# Altium PCB WunderBar_v102b.PcbDoc (part 4 of 7) (continued)
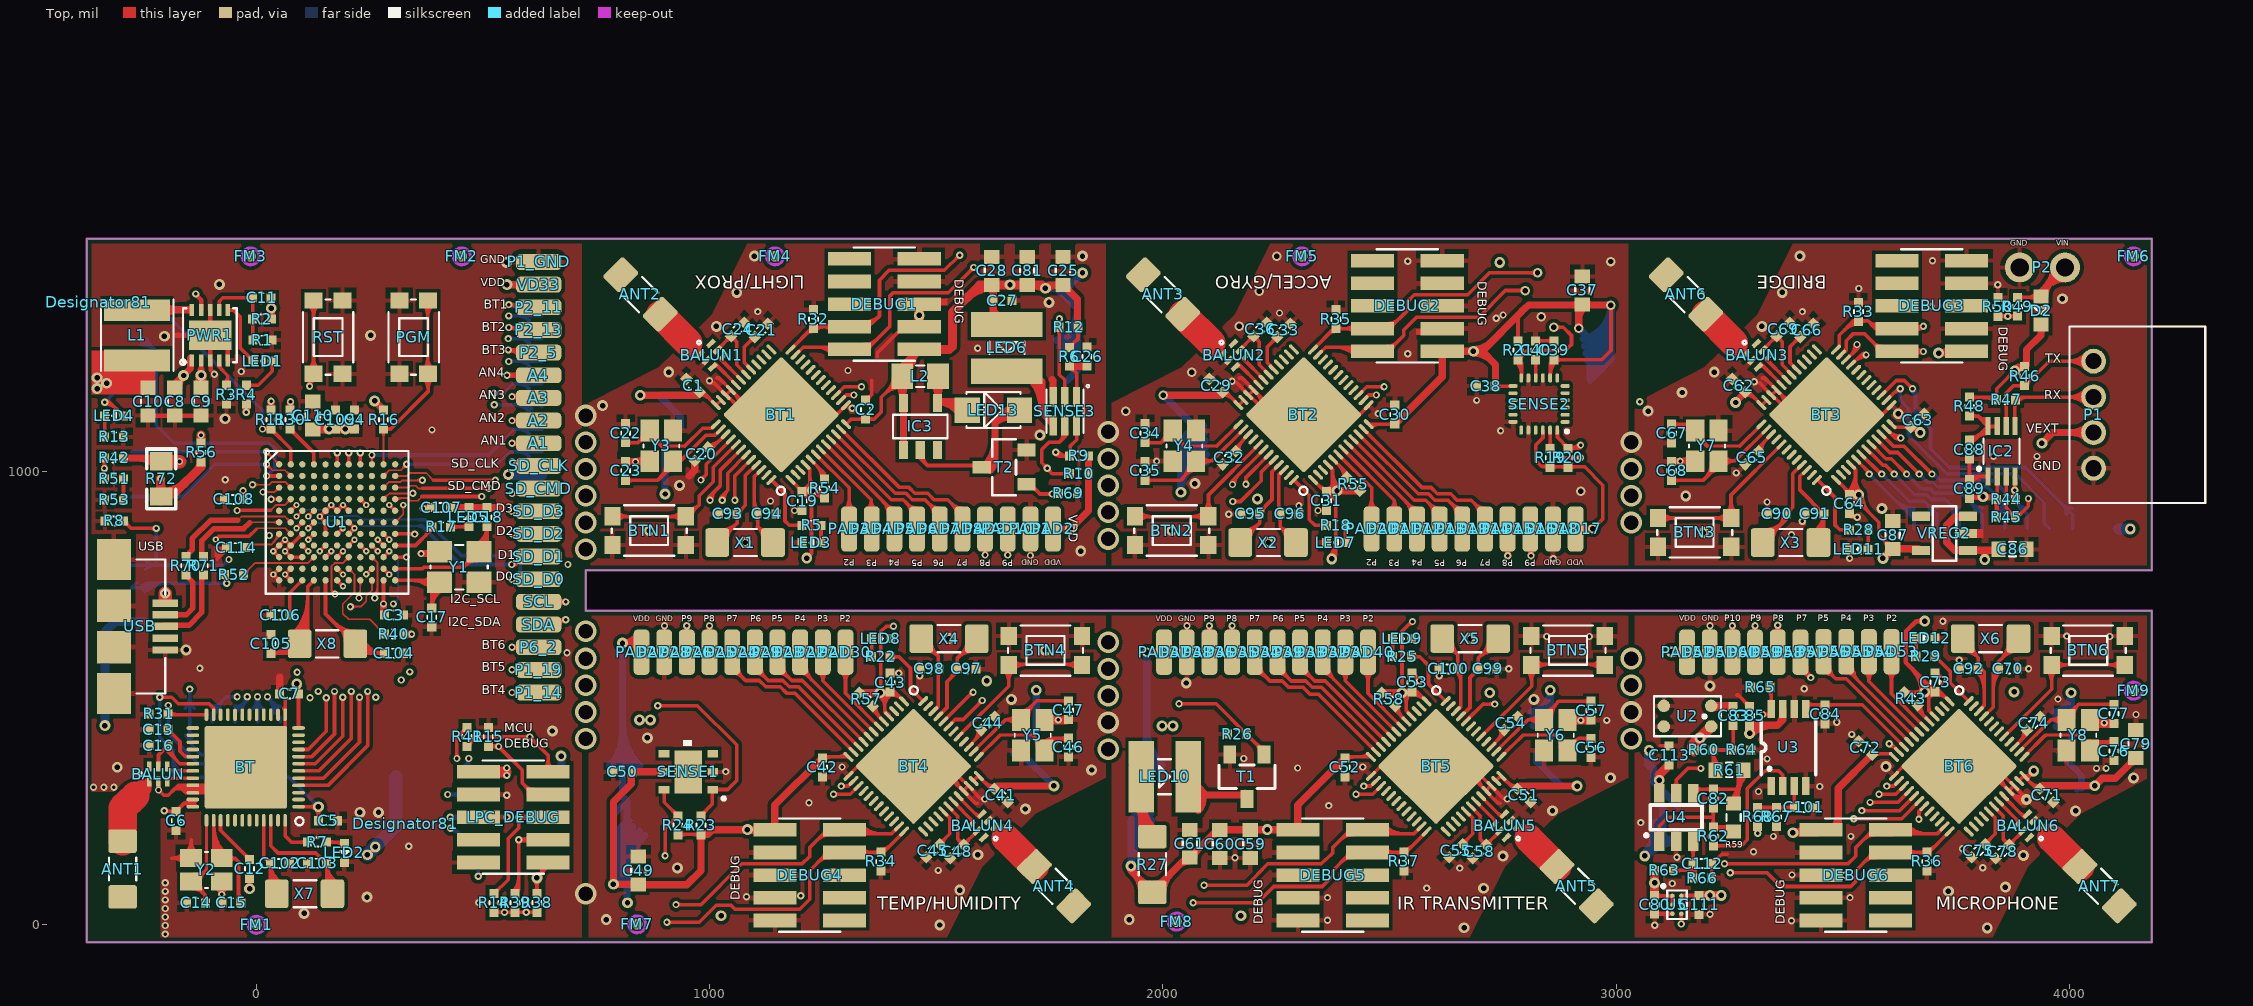
[diagram p0: Top view]
## Nets (pads, with @x,y where several pads share a name; then routed paths per layer and width w, separated by ;. In a path a pad name is that pad's centre, name@x,y a point inside that pad or via, vN(x,y) a via of type N, cw(c..) or ccw(c..) an arc to the next point about the centre after c; other vN are vias at no path point) (continued)
  Route2 w8: v5@2487.91,1182.91 cw(c2487.91,1173.25) 2494.73,1180.08 cw(c2501.56,1186.91) v5@2491.91,1186.91 ; v5(2487.91,1186.91) 2785,889.81 2785,841 v1(2812,814) ; v1@2808,814 ccw(c2798.34,814) 2805.17,820.83 ccw(c2812,827.66) v1@2812,818
P0.09C: BT4.15 PAD26.1 | length 752.8
  Top w8: PAD26.1@941.71,645.02 ccw(c931.16,660) v1(949.48,660) ; v1@946.04,657.96 cw(c938.09,653.23) 947.03,650.84 cw(c955.96,648.44) v1@951.44,656.51 ; v1@946.65,657.17 cw(c939.82,650.34) 949.48,650.34 cw(c959.14,650.34) v1@952.31,657.17 ; v1@947.52,656.51 cw(c943,648.44) 951.93,650.84 cw(c960.87,653.23) v1@952.92,657.96 ; PAD26.1@949.48,601.48 v1(949.48,660) ; PAD26.1@957.25,645.02 cw(c967.8,660) v1(949.48,660) ; v5(1273,288) 1310.05,288 BT4.15@1328.38,306.33 ; v5@1275.83,285.17 cw(c1282.66,278.34) 1282.66,288 cw(c1282.66,297.66) v5@1275.83,290.83
  Route2 w8: v1@949.48,656 cw(c949.48,646.34) 956.31,653.17 cw(c963.14,660) v1@953.48,660 ; v1(949.48,660) 975,634.48 975,586 v5(1273,288) ; v5@1269,288 ccw(c1259.34,288) 1266.17,294.83 ccw(c1273,301.66) v5@1273,292
P0.09D: BT5.15 PAD36.1 | length 756.4
  Top w8: PAD36.1@2094.37,644.78 ccw(c2082.19,661) v1@2102.48,661 ; v1@2099.02,658 cw(c2091.42,653.61) PAD36.1@2099.89,651.34 ; PAD36.1@2099.65,650.42 cw(c2109.14,647.88) v1@2104.41,656.49 ; v1@2099.65,657.17 cw(c2092.82,650.34) 2102.48,650.34 cw(c2112.14,650.34) v1@2105.31,657.17 ; v1@2100.55,656.49 cw(c2095.82,647.88) PAD36.1@2105.31,650.42 ; PAD36.1@2102.48,601.48 v1@2102.48,661 ; PAD36.1@2105.07,651.34 cw(c2113.54,653.61) v1@2105.94,658 ; PAD36.1@2110.59,644.78 cw(c2122.77,661) v1@2102.48,661 ; v5(2426,288) 2463.05,288 BT5.15@2481.38,306.33 ; v5@2428.83,285.17 cw(c2435.66,278.34) 2435.66,288 cw(c2435.66,297.66) v5@2428.83,290.83
  Route2 w8: v1@2102.48,656 cw(c2102.48,646.34) 2109.31,653.17 cw(c2116.14,660) v1@2106.48,660 ; v1(2102.48,660) 2130,632.48 2130,584 v5(2426,288) ; v5@2422,288 ccw(c2412.34,288) 2419.17,294.83 ccw(c2426,301.66) v5@2426,292
P0.09E: BT3.15 PAD46.1 | length 744.2
  Top w8: BT3.15@3585.58,1168.63 3617.95,1201 3635.96,1201 v1(3654,1183) ; 3647.1,1189.86 ccw(c3654,1196.75) v1@3654,1187 ; 3647.2,1189.76 cw(c3640.44,1183) v1@3650,1183
  Bottom w8: v1@3651.17,1180.17 cw(c3628.7,1157.7) 3660.48,1157.7 ; v1(3654,1183) 3660.48,1176.52 3660.48,1128.48 3693.48,1095.48 3693.48,1051.15 3735.72,1008.91 3903.06,1008.91 4007.13,904.83 PAD46.1@4007.13,873.48 ; v1@3656.83,1185.83 cw(c3648.01,1177.01) 3660.48,1177.01 ; 3982.12,929.84 ccw(c4007.13,954.86) PAD46.1@4007.13,919.48 ; 3984.9,927.06 cw(c3963.83,905.98) PAD46.1@3993.63,905.98
P0.09F: BT6.15 PAD59.1 | length 727.4
  Top w8: PAD59.1@3298.78,645.02 ccw(c3288.23,660) v1(3306.55,660) ; v1@3303.11,657.96 cw(c3295.16,653.23) 3304.1,650.84 cw(c3313.03,648.44) v1@3308.51,656.51 ; v1@3303.72,657.17 cw(c3296.9,650.34) 3306.55,650.34 cw(c3316.21,650.34) v1@3309.38,657.17 ; v1@3304.6,656.51 cw(c3300.07,648.44) 3309.01,650.84 cw(c3317.94,653.23) v1@3309.99,657.96 ; PAD59.1@3306.55,601.48 v1(3306.55,660) ; PAD59.1@3314.33,645.02 cw(c3324.88,660) v1(3306.55,660) ; v5(3580,288) 3617.05,288 BT6.15@3635.38,306.33 ; v5@3582.83,285.17 cw(c3589.66,278.34) 3589.66,288 cw(c3589.66,297.66) v5@3582.83,290.83
  Route2 w8: v1@3306.55,656 cw(c3306.55,646.34) 3313.38,653.17 cw(c3320.21,660) v1@3310.55,660 ; v1(3306.55,660) 3330,636.55 3330,536 v5@3578,288 ; 3569.76,296.24 ccw(c3580,306.49) v5@3580,292
P0.10F: BT6.16 PAD60.1 | length 796.6
  Top w8: PAD60.1@3248.76,645.02 ccw(c3238.21,660) v1(3256.53,660) ; v1@3253.1,657.96 cw(c3245.15,653.23) 3254.08,650.84 cw(c3263.01,648.44) v1@3258.49,656.51 ; v1@3253.71,657.17 cw(c3246.88,650.34) 3256.53,650.34 cw(c3266.19,650.34) v1@3259.36,657.17 ; v1@3254.58,656.51 cw(c3250.05,648.44) 3258.99,650.84 cw(c3267.92,653.23) v1@3259.97,657.96 ; PAD60.1@3256.53,601.48 v1(3256.53,660) ; PAD60.1@3264.31,645.02 cw(c3274.86,660) v1(3256.53,660) ; v5(3560,270) 3621.32,270 BT6.16@3646.52,295.19 ; v5@3562.83,267.17 cw(c3569.66,260.34) 3569.66,270 cw(c3569.66,279.66) v5@3562.83,272.83
  Route2 w8: v1@3256.53,656 cw(c3256.53,645.14) 3264.21,652.82 ; v1@3256.76,660.27 3301,616.03 3301,529 v5(3560,270) ; v1@3260.53,660 ccw(c3268.99,660) 3263.01,654.02 ; v5@3556,270 ccw(c3546.34,270) 3553.17,276.83 ccw(c3560,283.66) v5@3560,274
PAD1: BT2.7 PAD11.1 | length 268.5
  Top w8: BT2.7@2398.17,1048.92 2510.48,936.62 ; PAD11.1@2501.37,915.94 ccw(c2482.47,936.61) 2510.48,936.61 ; PAD11.1@2510.48,873.48 2510.48,936.62 ; PAD11.1@2519.59,915.94 cw(c2538.49,936.61) 2510.48,936.61
PAD2: BT4.7 PAD21.1 | length 268.5
  Top w8: PAD21.1@1240.37,559.02 cw(c1221.47,538.35) 1249.48,538.35 ; PAD21.1@1249.48,601.48 1249.48,538.34 ; PAD21.1@1258.59,559.02 ccw(c1277.49,538.35) 1249.48,538.35 ; BT4.7@1361.79,426.04 1249.48,538.34
PAD3: BT5.7 PAD31.1 | length 268.5
  Top w8: PAD31.1@2393.37,559.02 cw(c2374.47,538.35) 2402.48,538.35 ; PAD31.1@2402.48,601.48 2402.48,538.34 ; PAD31.1@2411.59,559.02 ccw(c2430.49,538.35) 2402.48,538.35 ; BT5.7@2514.79,426.04 2402.48,538.34
PAD4: BT3.7 PAD42.1 | length 395.7
  Top w8: BT3.7@3552.17,1048.92 3553.74,1048.92 3588.66,1014 3594.32,1014 v1(3613.85,994.47) ; v1@3609.85,994.47 ccw(c3600.19,994.47) 3607.02,1001.3 ccw(c3613.85,1008.13) v1@3613.85,998.47
  Bottom w8: v1@3613.85,990.47 cw(c3613.85,980.81) 3620.68,987.64 cw(c3627.5,994.47) v1@3617.85,994.47 ; v1(3613.85,994.47) 3659.84,948.48 3686.15,948.48 3696.15,938.48 3727.48,938.48 3757.13,908.83 PAD42.1@3757.13,873.48 ; 3732.08,933.89 cw(c3704.17,905.98) PAD42.1@3743.63,905.98 ; 3738.95,927.01 ccw(c3757.13,945.2) PAD42.1@3757.13,919.48 ; PAD42.1@3745.73,920.23 cw(c3731.48,905.98) PAD42.1@3751.63,905.98
PAD5: BT6.7 PAD54.1 | length 324.9
  Top w8: PAD54.1@3557.64,602.48 3557.64,537.18 BT6.7@3668.79,426.04 ; 3557.64,537.38 cw(c3590.23,537.38) 3567.19,560.43 ccw(c3590.23,537.38) 3557.64,537.38 ; 3557.64,537.38 ccw(c3525.05,537.38) 3548.1,560.43 cw(c3525.05,537.38) 3557.64,537.38
PAD6: BT1.7 PAD4.1 | length 250.9
  Top w8: BT1.7@1245.17,1048.92 1356.12,937.97 ; PAD4.1@1347.93,915.53 ccw(c1328.17,935.29) 1356.12,935.29 ; PAD4.1@1356.12,890.62 1356.12,937.97 ; PAD4.1@1366.19,916.3 cw(c1384.49,937.97) 1356.12,937.97
PROX_LED: LED6.C SENSE3.4 | length 494.4
  Top w16: LED6.C@1641.01,1207.97 cw(c1655.83,1206.6) LED6.C@1655.83,1221.48 ; LED6.C@1655.48,1221.48 LED6.C@1708.48,1221.48 ; LED6.C@1656.95,1206.49 cw(c1673.38,1204.97) LED6.C@1673.38,1221.48 ; LED6.C@1672.88,1205.02 cw(c1690.93,1203.35) LED6.C@1690.93,1221.48 ; LED6.C@1686.57,1221.48 ccw(c1686.57,1249.72) LED6.C@1706.53,1229.75 ; LED6.C@1686.6,1221.48 cw(c1686.6,1193.3) LED6.C@1706.53,1213.23 ; LED6.C@1688.14,1235.33 ccw(c1708.48,1243.34) LED6.C@1708.48,1221.48 ; LED6.C@1688.81,1203.55 cw(c1708.48,1201.73) LED6.C@1708.48,1221.48 ; LED6.C@1706.53,1204.92 cw(c1643.89,1142.28) 1732.48,1142.28 ; LED6.C@1717.85,1216.23 cw(c1682.52,1180.9) 1732.48,1180.9 ; 1740.59,1123.05 ccw(c1758.37,1140.15) SENSE3.4@1757.89,1115.48 ; SENSE3.4@1757.48,1101.48 1757.48,1105.48 1732.48,1131.48 1732.48,1198.48 LED6.C@1708.48,1221.48
REGOUT: C40.1 SENSE2.10 | length 62.8
  Top w8: C40.1@2818.24,1242.57 cw(c2807.99,1232.33) 2822.48,1232.33 cw(c2836.97,1232.33) C40.1@2826.72,1242.57 ; SENSE2.10@2822.48,1206.48 C40.1@2822.48,1246.48
S3_RX_EXT: IC2.5 P1.3 R47.1 | length 447.4
  Top w8: R47.1@3876.91,1154.24 cw(c3870.69,1148.03) 3879.48,1148.03 ; IC2.5@3879.48,1099.48 3879.48,1157.48 R47.1@3880.48,1158.48 ; 3879.48,1120.58 ccw(c3886.11,1120.58) IC2.5@3881.42,1115.89 ; 3879.48,1139.97 cw(c3899.66,1139.97) 3885.39,1154.24 cw(c3909.61,1130.02) 3909.61,1164.27 ; R47.1@3879.74,1159.89 cw(c3890.29,1149.34) R47.1@3890.29,1164.27 ; R47.1@3880.48,1164.27 P1.3@4053.58,1164.27 ; 3995.3,1164.27 ccw(c3995.3,1223.13) P1.3@4036.92,1181.51 ; 3998.11,1164.27 cw(c3998.11,1109.38) P1.3@4036.92,1148.19 ; 4014.61,1164.27 ccw(c4014.61,1203.82) P1.3@4042.58,1175.85 ; 4017.42,1164.27 cw(c4017.42,1128.69) P1.3@4042.58,1153.85
S3_RX_INT: BT3.21 IC2.4 R44.1 | length 802.2
  Top w8: BT3.21@3518.48,1235.48 3540.48,1257.48 v1(3551.48,1257.48) ; BT3.21@3525.87,1242.87 cw(c3551.48,1217.27) v1@3551.48,1253.48 ; 3539.53,1256.53 cw(c3551.48,1244.58) v1@3551.48,1261.48 ; v1@3548.65,1254.65 ccw(c3541.82,1247.82) 3541.82,1257.48 ccw(c3541.82,1267.14) v1@3548.65,1260.31 ; v1@3876.65,956.16 cw(c3869.82,949.33) 3879.48,949.33 cw(c3889.14,949.33) v1@3882.31,956.16 ; v1@3876.65,961.81 ccw(c3869.82,968.64) 3879.48,968.64 ccw(c3889.14,968.64) v1@3882.31,961.81 ; R44.1@3876.91,942.72 ccw(c3870.69,948.94) 3879.48,948.94 ; v1@3877.48,955.52 cw(c3873.53,948.68) 3881.16,950.72 ; IC2.4@3878.48,988.48 3879.48,989.48 3879.48,939.48 R44.1@3880.48,938.48 ; v1@3879.48,957 ccw(c3899.66,957) R44.1@3885.39,942.72 ; 3879.48,969.26 cw(c3886.11,969.26) IC2.4@3881.42,973.95 ; R44.1@3881.8,948.32 cw(c3892.83,951.28) v1@3882.94,956.98
  Route15 w8: v1@3548.65,1254.65 cw(c3541.82,1247.82) 3551.48,1247.82 cw(c3561.14,1247.82) v1@3554.31,1254.65 ; v1(3551.48,1257.48) 3551.48,1095.43 3611.39,1035.52 3802.94,1035.52 v1(3879.48,958.98) ; v1@3875.48,958.98 ccw(c3865.82,958.98) 3872.65,965.81 ccw(c3879.48,972.64) v1@3879.48,962.98
S3_TX_EXT: IC2.6 P1.4 R46.1 | length 489.7
  Top w8: IC2.6@3860.48,1099.48 3860.48,1172.48 3876.48,1189.48 3901.48,1189.48 3955.59,1243.59 P1.4@4053.58,1243.59 ; 3886.2,1189.48 ccw(c3886.2,1205.09) R46.1@3897.24,1194.05 ; 3887.79,1189.48 cw(c3887.79,1176.12) R46.1@3897.24,1185.57 ; R46.1@3901.48,1195.81 ccw(c3901.48,1211.09) 3912.29,1200.29 ; R46.1@3907.48,1189.81 cw(c3921.17,1189.81) 3911.49,1199.49 ; P1.4@4036.92,1226.93 ccw(c3996.7,1186.71) 3996.7,1243.59 ccw(c3996.7,1300.47) P1.4@4036.92,1260.25 ; P1.4@4042.58,1232.59 ccw(c4016.02,1206.03) 4016.02,1243.59 ccw(c4016.02,1281.15) P1.4@4042.58,1254.59
S3_TX_INT: BT3.22 IC2.3 R45.1 | length 974.4
  Top w8: BT3.22@3507.48,1246.48 3531.48,1270.48 v1(3531.48,1280.48) ; 3517.58,1256.58 ccw(c3493.68,1280.48) v1@3527.48,1280.48 ; v1@3528.65,1277.65 cw(c3521.82,1270.82) 3531.48,1270.82 cw(c3541.14,1270.82) v1@3534.31,1277.65 ; 3531.24,1270.24 ccw(c3520.99,1280.48) v1@3535.48,1280.48 ; IC2.3@3860.48,989.48 3860.48,919.48 3882.98,896.98 3909.57,923.57 v1(3909.57,940.55) ; 3869.76,910.2 ccw(c3881.15,921.58) 3881.15,905.48 ccw(c3881.15,930.42) 3898.79,912.79 ; R45.1@3871.38,908.58 cw(c3862.28,899.48) R45.1@3875.15,899.48 ; v1@3906.75,937.72 cw(c3899.92,930.89) 3909.57,930.89 cw(c3919.23,930.89) v1@3912.4,937.72
  Route15 w8: v1@3528.65,1277.65 cw(c3521.82,1270.82) 3531.48,1270.82 cw(c3541.14,1270.82) v1@3534.31,1277.65 ; v1(3531.48,1280.48) 3531.48,1085.5 3600.76,1016.23 3789.73,1016.23 3865.41,940.55 v1(3909.57,940.55) ; v1@3906.75,937.72 ccw(c3899.92,930.89) 3899.92,940.55 ccw(c3899.92,950.21) v1@3906.75,943.38
S3_VEXT_REF: C88.1 IC2.7 IC2.8 R48.1 | length 310.2
  Top w8: C88.1@3779.48,1067.15 ccw(c3779.48,1088.08) 3794.28,1073.28 ; C88.1@3779.48,1069.48 3790.48,1069.48 ; C88.1@3779.48,1075.15 ccw(c3779.48,1115.39) 3807.94,1086.94 ; R48.1@3779.48,1122.48 3798.48,1122.48 IC2.8@3820.48,1099.48 ; R48.1@3783.72,1118.57 cw(c3793.17,1109.12) 3793.17,1122.48 ; R48.1@3783.72,1127.05 ccw(c3794.76,1138.09) 3794.76,1122.48 ; C88.1@3784.37,1072.63 ccw(c3790.48,1076.99) 3790.48,1069.48 ; C88.1@3784.67,1066.14 cw(c3790.48,1062.76) 3790.48,1069.48 ; 3794.87,1073.87 cw(c3820.48,1048.27) IC2.8@3820.48,1084.48 ; 3798.16,1122.81 ccw(c3814.62,1138.56) IC2.8@3820.01,1116.42 ; 3807.75,1112.79 ccw(c3818.41,1122.98) IC2.8@3821.9,1108.65 ; 3808.53,1087.53 cw(c3820.48,1075.58) IC2.8@3820.48,1092.48 ; IC2.8@3817.34,1102.76 ccw(c3822.2,1107.41) IC2.8@3823.79,1100.88 ; IC2.8@3821.89,1101.89 ccw(c3827.72,1107.72) 3827.72,1099.48 ; 3833.24,1099.48 ccw(c3833.24,1107.72) IC2.7@3839.07,1101.89 ; IC2.7@3840.48,1099.48 IC2.8@3820.48,1099.48 ; 3790.48,1069.48 IC2.8@3820.48,1099.48
SENS1_LED: BT1.48 R5.1 | length 167.4
  Top w8: BT1.48@1135.99,981.5 1166.06,951.44 1166.06,890.94 1175.52,881.48 R5.1@1203.81,881.48 ; R5.1@1199.57,877.24 ccw(c1189.33,866.99) 1189.33,881.48 ccw(c1189.33,895.97) R5.1@1199.57,885.72
SENS1_LED1: LED3.A R5.2 | length 83.5
  Top w8: LED3.A@1240.91,847.72 ccw(c1229.87,858.76) 1245.48,858.76 ; R5.2@1241.24,877.24 cw(c1230.99,866.99) 1245.48,866.99 cw(c1259.97,866.99) R5.2@1249.72,877.24 ; LED3.A@1245.48,843.48 R5.2@1245.48,881.48 ; 1245.48,857.17 ccw(c1258.84,857.17) LED3.A@1249.39,847.72
SENS1_XL1: BT1.46 C94.2 X1.1 | length 333.1
  Top w8: C94.2@1098.48,916.14 ccw(c1114.14,916.14) C94.2@1103.07,905.07 ; 1098.48,935.45 ccw(c1133.45,935.45) C94.2@1108.72,910.72 ; C94.2@1100.24,902.24 cw(c1087.58,889.58) 1105.48,889.58 ; 1105.4,878.56 ccw(c1126.96,899.5) X1.1@1134.2,870.33 ; 1105.48,894.41 cw(c1116.55,894.41) C94.2@1108.72,902.24 ; 1106.21,877.73 cw(c1077.54,849.88) X1.1@1117.51,849.3 ; BT1.46@1114.48,1004.48 1105.48,995.48 1104.48,995.48 1098.48,989.48 1098.48,913.48 1105.48,906.48 1105.48,878.48 X1.1@1139.5,843.48 ; X1.1@1115.1,868.57 ccw(c1130.84,883.86) X1.1@1136.13,862.57
SENS1_XL2: BT1.45 C93.2 X1.2 | length 362.7
  Top w8: X1.2@1017.48,843.48 1060.48,886.48 ; X1.2@1017.59,862.94 ccw(c1020.68,901.76) 1048.22,874.22 ; X1.2@1018.23,870.91 ccw(c1022.49,924.47) 1060.48,886.48 ; X1.2@1038.48,848.98 cw(c1075.9,848.98) 1049.44,875.44 ; C93.2@1056.24,902.24 cw(c1045.99,891.99) 1060.48,891.99 cw(c1074.97,891.99) C93.2@1064.72,902.24 ; C93.2@1060.32,912.48 ccw(c1059.93,926.96) 1070.44,917 ccw(c1080.96,907.03) C93.2@1066.48,906.64 ; BT1.45@1103.48,1015.48 1078.48,991.48 1078.48,925.48 C93.2@1060.48,906.48 1060.48,886.48
SENS2_LED: BT2.48 R18.1 | length 167.3
  Top w8: BT2.48@2288.99,981.5 2323,947.5 2323,894 2335.52,881.48 R18.1@2360.81,881.48 ; R18.1@2356.57,877.24 ccw(c2346.33,866.99) 2346.33,881.48 ccw(c2346.33,895.97) R18.1@2356.57,885.72
SENS2_LED1: LED7.A R18.2 | length 83.5
  Top w8: LED7.A@2397.91,847.72 ccw(c2386.87,858.76) 2402.48,858.76 ; R18.2@2398.24,877.24 cw(c2387.99,866.99) 2402.48,866.99 cw(c2416.97,866.99) R18.2@2406.72,877.24 ; LED7.A@2402.48,843.48 R18.2@2402.48,881.48 ; 2402.48,857.17 ccw(c2415.84,857.17) LED7.A@2406.39,847.72
SENS2_XL1: BT2.46 C96.2 X2.1 | length 329.7
  Top w8: C96.2@2254.24,902.24 cw(c2243.99,891.99) 2258.48,891.99 cw(c2272.97,891.99) C96.2@2262.72,902.24 ; 2255.48,928.21 ccw(c2280.21,928.21) C96.2@2262.72,910.72 ; 2255.48,986.63 cw(c2269.72,986.63) 2259.65,996.7 ccw(c2261.79,990.77) 2255.48,990.77 ; 2259.85,877.11 cw(c2231.73,848.98) X2.1@2271.5,848.98 ; BT2.46@2267.48,1004.48 2255.48,992.48 2255.48,909.48 C96.2@2258.48,906.48 2258.48,878.48 ; X2.1@2268.44,868.52 ccw(c2284.51,884.58) X2.1@2290.07,862.55 ; X2.1@2288.12,870.31 cw(c2280.49,900.49) 2258.48,878.48 ; X2.1@2293.5,843.48 2258.48,878.48
SENS2_XL2: BT2.45 C95.2 X2.2 | length 358.9
  Top w8: X2.2@2171.48,843.48 2213.48,886.48 C95.2@2213.48,906.48 2213.48,911.48 2240.48,938.48 2240.48,999.48 BT2.45@2256.48,1015.48 ; X2.2@2171.53,862.94 ccw(c2174.39,900.82) 2201.56,874.28 ; X2.2@2172.13,870.92 ccw(c2176.07,923.17) 2213.55,886.55 ; X2.2@2192.48,849.24 cw(c2230.03,849.68) 2203.16,875.92 ; C95.2@2209.24,902.24 cw(c2198.99,891.99) 2213.48,891.99 cw(c2227.97,891.99) C95.2@2217.72,902.24 ; C95.2@2219.48,906.48 cw(c2246.04,906.48) 2227.26,925.26
SENS3_BTN: BT3.41 BTN3.P3 BTN3.P4 | length 529.7
  Top w8: BTN3.P3@3092.48,897.48 3253.48,897.48 3253.48,948.48 BT3.41@3365.48,1060.48 ; BTN3.P3@3102.38,887.58 cw(c3126.28,863.68) 3126.28,897.48 cw(c3126.28,931.28) BTN3.P3@3102.38,907.38 ; BTN3.P4@3244.29,887.58 ccw(c3220.39,863.68) 3220.39,897.48 ccw(c3220.39,931.28) BTN3.P4@3244.29,907.38 ; BTN3.P4@3244.29,909.38 ccw(c3222.1,931.57) 3253.48,931.57 ; 3253.48,934.99 ccw(c3289.7,934.99) BTN3.P4@3264.09,909.38
SENS3_LED: BT3.48 R28.1 | length 175.8
  Top w8: BT3.48@3443.48,982.48 3483,942.96 3483,882 3493.52,871.48 R28.1@3514.81,871.48 ; R28.1@3510.57,867.24 ccw(c3500.33,856.99) 3500.33,871.48 ccw(c3500.33,885.97) R28.1@3510.57,875.72
SENS3_LED1: LED11.A R28.2 | length 88.5
  Top w8: LED11.A@3551.91,832.72 ccw(c3540.87,843.76) 3556.48,843.76 ; R28.2@3552.24,867.24 cw(c3541.99,856.99) 3556.48,856.99 cw(c3570.97,856.99) R28.2@3560.72,867.24 ; LED11.A@3556.48,828.48 R28.2@3556.48,871.48 ; 3556.48,842.17 ccw(c3569.84,842.17) LED11.A@3560.39,832.72
SENS3_XL1: BT3.46 C91.2 X3.1 | length 365.4
  Top w8: BT3.46@3421.48,1004.48 3405.48,989.48 3405.48,959.48 C91.2@3457.48,906.48 ; X3.1@3435.39,867.97 ccw(c3412.87,906.48) C91.2@3457.48,906.48 ; X3.1@3439.43,861.06 ccw(c3421.03,892.53) 3457.48,892.53 ; X3.1@3443.47,854.16 ccw(c3429.19,878.58) 3457.48,878.58 ; X3.1@3446.5,843.48 3457.48,854.48 C91.2@3457.48,906.48 ; 3446.62,917.55 ccw(c3458.7,929.4) C91.2@3458.54,912.48 ; C91.2@3449.03,915.09 cw(c3440.43,906.65) C91.2@3452.48,906.54 ; C91.2@3454.24,902.24 cw(c3446.41,894.41) 3457.48,894.41 ; 3457.48,875.59 ccw(c3473.12,875.59) X3.1@3462.06,864.54 ; 3457.48,889.58 cw(c3475.38,889.58) C91.2@3462.72,902.24
SENS3_XL2: BT3.45 C90.2 X3.2 | length 422.5
  Top w8: X3.2@3323.48,862.98 ccw(c3323.48,912.47) 3358.48,877.48 ; X3.2@3323.48,870.98 ccw(c3323.48,939.79) 3372.13,891.13 ; X3.2@3324.48,843.48 3375.48,894.48 ; X3.2@3345.48,848.98 cw(c3382.9,848.98) 3356.44,875.44 ; 3356.75,875.75 ccw(c3326.02,906.48) C90.2@3369.48,906.48 ; 3370.41,889.41 ccw(c3353.34,906.48) C90.2@3377.48,906.48 ; C90.2@3371.88,901.68 cw(c3366.48,894.48) 3375.48,894.48 ; C90.2@3375.27,912.48 ccw(c3374.77,926.95) 3385.36,917.07 ccw(c3395.95,907.19) C90.2@3381.48,906.69 ; C90.2@3379.08,901.68 ccw(c3384.48,894.48) 3375.48,894.48 ; BT3.45@3410.48,1015.48 3389.48,995.48 3389.48,921.48 C90.2@3375.48,906.48 3375.48,894.48
SENS4_BTN: BT4.41 BTN4.P3 BTN4.P4 | length 526.7
  Top w8: BT4.41@1547.48,414.48 1659.48,526.48 1659.48,574.48 BTN4.P3@1820.48,574.48 ; BTN4.P4@1649.87,561.58 cw(c1626.68,538.38) 1659.48,538.38 ; 1659.48,536.98 cw(c1694.27,536.98) BTN4.P4@1669.67,561.58 ; BTN4.P4@1669.67,563.58 cw(c1695.98,537.27) 1695.98,574.48 ; BTN4.P4@1669.67,583.38 ccw(c1691.16,604.87) 1691.16,574.48 ; 1785.27,574.48 cw(c1785.27,537.27) BTN4.P3@1811.58,563.58 ; 1790.1,574.48 ccw(c1790.1,604.87) BTN4.P3@1811.58,583.38
SENS4_LED: BT4.48 R22.1 | length 162.3
  Top w8: R22.1@1398.16,591.49 1417.51,591.49 1443,566 1443,521.42 BT4.48@1470.97,493.46 ; R22.1@1402.4,587.25 cw(c1412.64,577) 1412.64,591.49 cw(c1412.64,605.97) R22.1@1402.4,595.73
SENS4_LED1: LED8.A R22.2 | length 92.5
  Top w8: R22.2@1352.25,595.73 ccw(c1339.61,608.37) 1357.48,608.37 ; LED8.A@1352.57,627.24 cw(c1340.71,615.38) 1357.48,615.38 ; R22.2@1357.48,584.48 LED8.A@1357.48,631.48 ; 1357.48,603.58 ccw(c1368.58,603.58) R22.2@1360.73,595.73 ; 1357.48,618.61 cw(c1369.68,618.61) LED8.A@1361.05,627.24
SENS4_XL2: BT4.45 C97.2 X4.2 | length 360.8
  Top w8: BT4.45@1503.48,459.48 1523.48,479.48 1523.48,536.48 1546.48,559.48 1546.48,564.48 1546.48,588.48 X4.2@1588.48,631.48 ; 1531,543.99 ccw(c1510.51,564.48) C97.2@1539.48,564.48 ; C97.2@1541.24,568.72 ccw(c1528.58,581.38) 1546.48,581.38 ; 1546.41,588.41 cw(c1583.89,551.79) X4.2@1587.83,604.04 ; 1546.48,576.55 ccw(c1557.55,576.55) C97.2@1549.72,568.72 ; 1556.8,599.04 ccw(c1529.94,625.28) X4.2@1567.48,625.72 ; 1558.4,600.68 cw(c1585.57,574.14) X4.2@1588.43,612.02
SENS5_BTN: BT5.41 BTN5.P3 BTN5.P4 | length 526.7
  Top w8: BT5.41@2701.48,414.48 2813.48,526.48 2813.48,574.48 BTN5.P3@2974.48,574.48 ; BTN5.P4@2802.87,561.58 cw(c2777.26,535.97) 2813.48,535.97 ; 2813.48,539.39 cw(c2844.86,539.39) BTN5.P4@2822.67,561.58 ; BTN5.P4@2822.67,563.58 cw(c2848.98,537.27) 2848.98,574.48 ; BTN5.P4@2822.67,583.38 ccw(c2844.16,604.87) 2844.16,574.48 ; 2938.27,574.48 cw(c2938.27,537.27) BTN5.P3@2964.58,563.58 ; 2943.1,574.48 ccw(c2943.1,604.87) BTN5.P3@2964.58,583.38
SENS5_LED: BT5.48 R25.1 | length 162.6
  Top w8: R25.1@2548.49,591.49 2566.51,591.49 2586,572 2586,531.42 BT5.48@2623.97,493.46 ; R25.1@2552.73,587.25 cw(c2562.97,577) 2562.97,591.49 cw(c2562.97,605.97) R25.1@2552.73,595.73
SENS5_LED1: LED9.A R25.2 | length 92.5
  Top w8: LED9.A@2502.57,627.24 cw(c2493.12,617.79) 2506.48,617.79 ; R25.2@2502.58,595.73 ccw(c2493.15,605.16) 2506.48,605.16 ; R25.2@2506.48,584.48 LED9.A@2506.48,631.48 ; 2506.48,606.79 ccw(c2522.12,606.79) R25.2@2511.06,595.73 ; 2506.48,616.2 cw(c2522.09,616.2) LED9.A@2511.05,627.24
SENS5_XL1: BT5.46 C100.2 X5.1 | length 354
  Top w8: X5.1@2616.46,631.48 2650.48,596.48 C100.2@2650.48,564.48 2657.48,557.48 2657.48,482.48 ; X5.1@2619.83,612.39 cw(c2625.12,591.1) X5.1@2640.86,606.39 ; X5.1@2621.76,604.63 cw(c2629,575.46) 2650.56,596.4 ; X5.1@2638.45,625.66 ccw(c2678.42,625.08) 2649.75,597.23 ; BT5.46@2645.48,470.48 2657.48,482.48 ; C100.2@2646.24,560.24 cw(c2619.1,533.1) 2657.48,533.1 ; C100.2@2646.24,568.72 ccw(c2635.99,578.97) 2650.48,578.97 ccw(c2664.97,578.97) C100.2@2654.72,568.72 ; C100.2@2651.89,565.89 cw(c2638.41,552.41) 2657.48,552.41 ; 2657.48,488.33 cw(c2643.24,488.33) 2653.31,478.26 ccw(c2653.26,482.48) 2657.48,482.48
SENS5_XL2: BT5.45 C99.2 X5.2 | length 361
  Top w8: BT5.45@2656.48,459.48 2677.48,479.48 2677.48,545.48 C99.2@2695.48,564.48 2695.48,588.48 ; C99.2@2689.48,564.32 cw(c2675,563.93) 2685.52,553.96 cw(c2696.03,544) C99.2@2695.64,558.48 ; C99.2@2691.24,568.72 ccw(c2680.99,578.97) 2695.48,578.97 ccw(c2709.97,578.97) C99.2@2699.72,568.72 ; 2706.52,599.52 ccw(c2680.06,625.98) X5.2@2717.48,625.98 ; 2707.74,600.74 cw(c2735.28,573.2) X5.2@2738.37,612.02 ; X5.2@2737.74,604.05 ccw(c2733.47,550.49) 2695.48,588.48 ; X5.2@2738.48,631.48 2695.48,588.48
SENS6_BTN: BT6.41 BTN6.P3 BTN6.P4 | length 526.7
  Top w8: BT6.41@3856.19,415.25 3960.9,519.95 3960.9,567.95 BTN6.P4@3968.19,575.25 ; BTN6.P4@3950.89,561.6 cw(c3926.73,537.44) 3960.9,537.44 ; 3960.9,537.96 cw(c3994.33,537.96) BTN6.P4@3970.69,561.6 ; BTN6.P4@3961.5,573.5 BTN6.P3@4122.5,573.5 ; BTN6.P4@3970.69,563.6 cw(c3994.59,539.7) 3994.59,573.5 cw(c3994.59,607.3) BTN6.P4@3970.69,583.4 ; BTN6.P3@4112.6,563.6 ccw(c4088.7,539.7) 4088.7,573.5 ccw(c4088.7,607.3) BTN6.P3@4112.6,583.4
SENS6_LED: BT6.48 R29.1 | length 152.6
  Top w8: R29.1@3703.67,586.49 cw(c3703.67,572) 3713.91,582.24 cw(c3724.15,592.49) R29.1@3709.67,592.49 ; R29.1@3703.67,592.49 3737.14,559.01 3737.14,534.28 BT6.48@3777.97,493.46
SENS6_LED1: LED12.A R29.2 | length 85.5
  Top w8: R29.2@3657.76,596.73 ccw(c3647.49,606.99) 3662.01,606.99 ; LED12.A@3657.76,628.24 cw(c3647.49,617.98) 3662.01,617.98 cw(c3676.46,618.02) LED12.A@3666.24,628.24 ; R29.2@3662,592.49 LED12.A@3662,632.48 ; 3662.01,606.95 ccw(c3676.46,606.95) R29.2@3666.24,596.73
SENS6_XL1: BT6.46 C92.2 X6.1 | length 431.7
  Top w8: X6.1@3764.71,603.98 cw(c3764.71,557.49) 3797.58,590.36 ; X6.1@3764.71,611.98 cw(c3764.71,584.8) X6.1@3783.93,604.02 ; X6.1@3764.71,631.48 3764.75,623.2 3798.75,589.2 ; X6.1@3778.63,624.49 ccw(c3807.31,621.43) X6.1@3786.91,601.03 ; X6.1@3786.58,623.64 ccw(c3828.69,619.14) 3798.75,589.2 ; C92.2@3794.48,560.25 cw(c3751.57,517.34) 3812.25,517.34 ; C92.2@3794.48,568.73 ccw(c3784.16,579.05) 3798.75,579.05 ; C92.2@3798.72,564.49 3798.75,589.2 ; 3798.75,578.9 ccw(c3813.13,578.9) C92.2@3802.96,568.73 ; C92.2@3800.13,565.9 cw(c3770.89,536.66) 3812.25,536.66 ; BT6.46@3800.24,471.19 3812.25,483.2 3812.25,558.2 ; C92.2@3801.88,559.39 cw(c3806.31,552.26) 3812.25,558.2 ; C92.2@3805.25,565.2 3812.25,558.2 ; BT6.46@3807.31,478.26 ccw(c3795.39,490.18) 3812.25,490.18
SENS6_XL2: BT6.45 C70.2 X6.2 | length 449.9
  Top w8: BT6.45@3811.37,460.05 3832.38,480.06 3832.38,556.4 ; 3832.38,522.58 cw(c3885.65,522.58) C70.2@3847.98,560.25 ; 3832.38,541.89 cw(c3866.34,541.89) C70.2@3842.33,565.9 ; C70.2@3839.5,568.73 ccw(c3829.23,579) 3843.75,579 ; C70.2@3841.96,558.76 ccw(c3839.12,549.66) 3832.38,556.4 ; C70.2@3843.74,564.49 3843.75,580.43 3886.75,623.43 X6.2@3886.75,631.5 ; 3843.75,578.95 ccw(c3858.2,578.95) C70.2@3847.98,568.73 ; 3849.07,585.75 ccw(c3808.83,625.98) X6.2@3865.73,625.98 ; C70.2@3850.38,565.06 3841.04,565.06 3832.38,556.4 ; 3852.85,589.53 cw(c3887.73,554.66) X6.2@3887.73,603.98 ; 3862.72,599.4 ccw(c3836.15,625.98) X6.2@3873.73,625.98 ; X6.2@3866.51,603.19 cw(c3887.73,581.97) X6.2@3887.73,611.98
SWITCH_ON: BT6.19 U5.2C | length 759.3
  Top w8: v1@3141.01,4.51 ccw(c3134.19,11.34) 3143.84,11.34 ccw(c3153.5,11.34) v1@3146.67,4.51 ; v1(3143.84,1.68) U5.2C@3143.84,24.32 ; v5@3665.17,235.83 ccw(c3658.34,242.66) 3668,242.66 ccw(c3677.66,242.66) v5@3670.83,235.83 ; v5(3668,233) 3668,249.69 BT6.19@3680.01,261.7 ; 3668,242.7 cw(c3684.87,242.7) 3672.94,254.63 ccw(c3675.41,247.64) 3668,247.64
  Route2 w8: v1(3143.84,1.68) 3333.69,1.68 3472,140 3575,140 v5(3668,233) ; v1@3146.67,-1.14 cw(c3153.5,-7.97) 3153.5,1.68 cw(c3153.5,11.34) v1@3146.67,4.51 ; v5@3664,233 cw(c3654.34,233) 3661.17,226.17 cw(c3668,219.34) v5@3668,229
UNBAL: ANT1.1 BALUN.1 | length 164.1
  Top w8: BALUN.1@-237.13,308.96 ccw(c-240.55,304.52) -244.52,308.48 -237.52,315.48 BALUN.1@-236.52,315.48
  Top w28: -251.52,300.48 -244.52,308.48
  Top w40: -267.52,284.48 -251.52,300.48
  Top w63: ANT1.1@-295.52,184.5 -295.52,257.48 -267.52,284.48
UNBAL1: ANT2.1 BALUN1.1 | length 124.5
  Top w10: 964.48,1272.48 BALUN1.1@978.48,1258.48
  Top w36: 952.48,1284.48 964.48,1272.48
  Top w63: ANT2.1@890.48,1346.48 952.48,1284.48
UNBAL2: ANT3.1 BALUN2.1 | length 124.5
  Top w10: 2118.48,1272.48 BALUN2.1@2131.48,1258.48
  Top w36: 2106.48,1284.48 2118.48,1272.48
  Top w63: ANT3.1@2043.48,1346.48 2106.48,1284.48
UNBAL3: ANT4.1 BALUN4.1 | length 125.2
  Top w10: BALUN4.1@1627.48,216.48 1641.48,202.48
  Top w36: 1641.48,202.48 1653.48,190.48
  Top w63: 1653.48,190.48 ANT4.1@1716.48,128.48
UNBAL4: ANT5.1 BALUN5.1 | length 124.5
  Top w10: BALUN5.1@2781.48,216.48 2795.48,202.48
  Top w36: 2795.48,202.48 2807.48,190.48
  Top w63: 2807.48,190.48 ANT5.1@2869.48,128.48
UNBAL5: ANT6.1 BALUN3.1 | length 124.5
  Top w10: 3271.48,1272.48 BALUN3.1@3285.48,1258.48
  Top w36: 3259.48,1284.48 3271.48,1272.48
  Top w63: ANT6.1@3197.48,1346.48 3259.48,1284.48
UNBAL6: ANT7.1 BALUN6.1 | length 125.2
  Top w10: BALUN6.1@3934.48,216.48 3948.48,202.48
  Top w36: 3948.48,202.48 3960.48,190.48
  Top w63: 3960.48,190.48 ANT7.1@4023.48,128.48
USB_DM: R70.2 U1.F2 | length 306.7
  Top w4: -41,893 -33.18,900.82 62.6,900.82 U1.F2@75.41,888.02 ; U1.F2@70.41,888.02 ccw(c58.34,888.02) 66.88,896.55 ccw(c75.41,905.09) U1.F2@75.41,893.02
  Top w12: R70.2@-156,813 -142,827 -142,852 -101,893 -41,893
USB_DP: R71.2 U1.F1 | length 240.3
  Top w4: -15.5,888.03 U1.F1@49.81,888.03 ; U1.F1@46.28,884.5 ccw(c37.74,875.96) 37.74,888.03 ccw(c37.74,900.1) U1.F1@46.28,891.57
  Top w12: R71.2@-121,813 -121,847 -94,874 -28.42,874 -15.5,886.92